# Altium PCB Tigershark 3D R2.PcbDoc (part 3 of 4)
Units mil, origin at the board's own origin, x right, y up, seen from the top; angles counter-clockwise.
Board outline 4100 x 4050 mil, 4 copper layers (Top Layer, Groun Plane, Power Plane, Bottom Layer), stack 61.73 mil thick; 363 components, 231 nets, 1162 pads, 834 vias.
Unrouted connection lines stored in the file: 9.
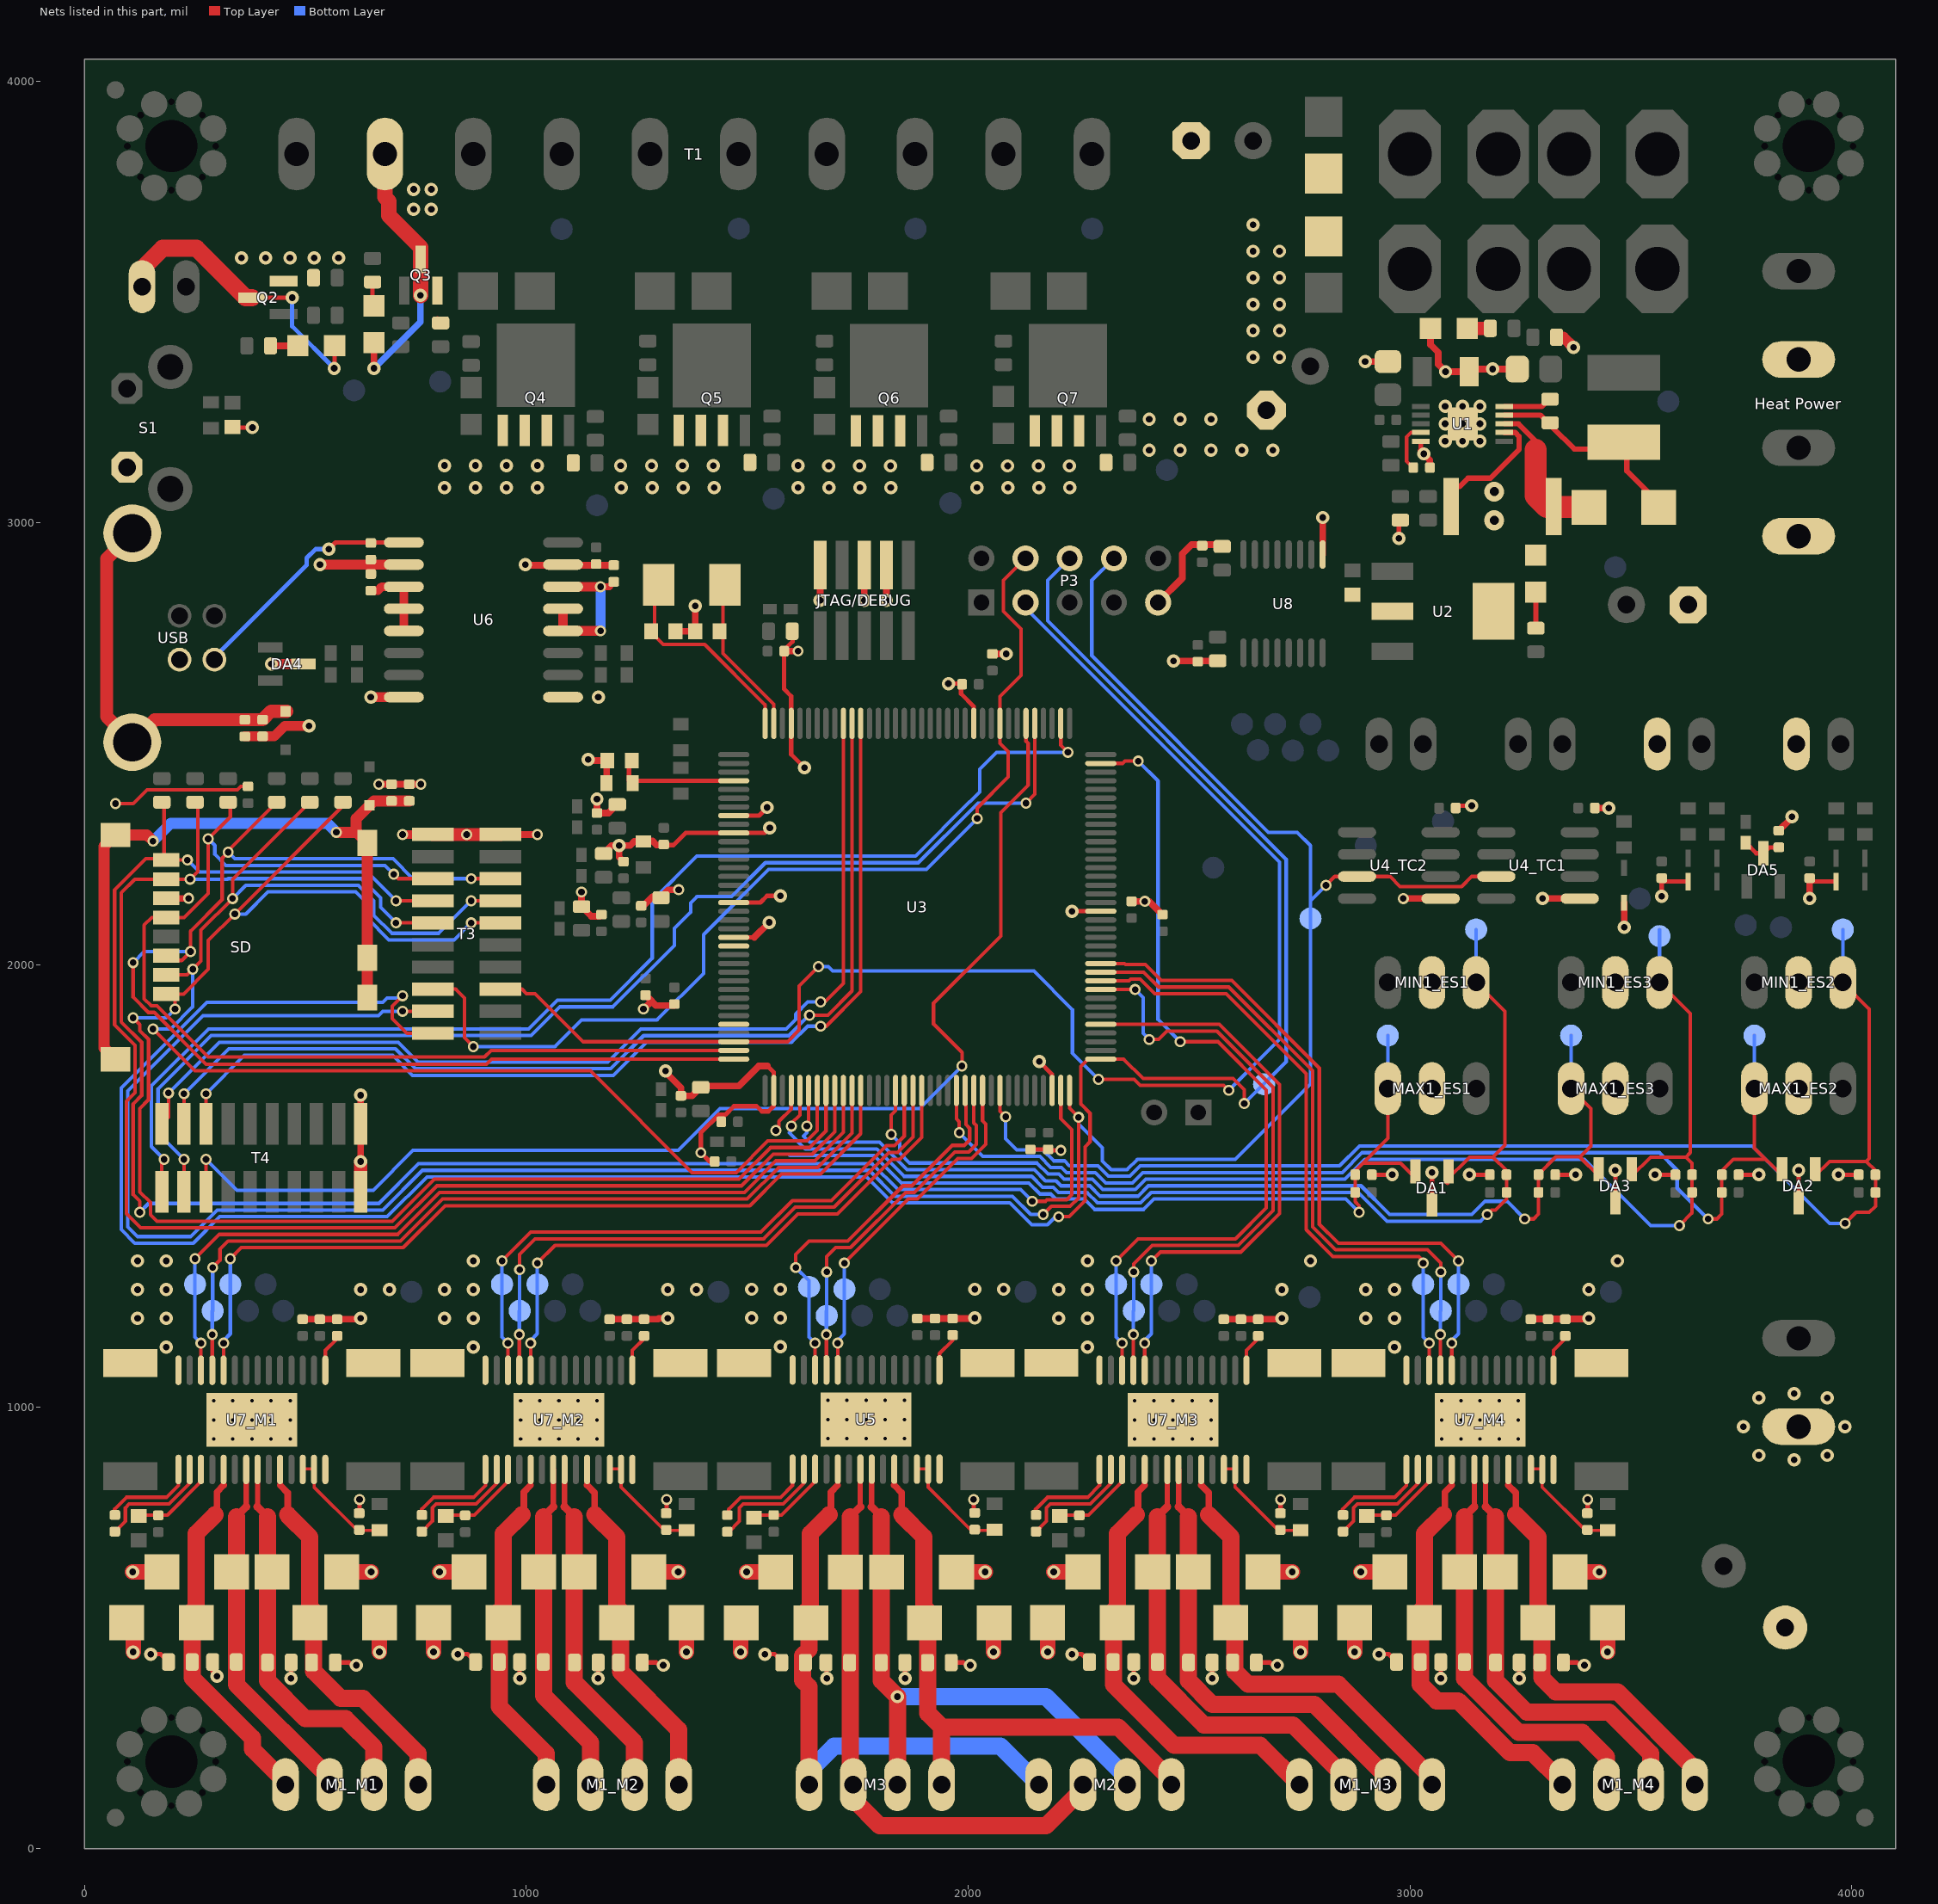
[diagram p5: the nets of this part, all layers, seen from the top]

## Via types
v1: diameter 30, hole 15, Top Layer to Bottom Layer, tented both sides, 496 vias
v2: diameter 25, hole 15, Top Layer to Bottom Layer, tented both sides, 175 vias
v3: diameter 25, hole 15, Top Layer to Bottom Layer, 76 vias
v4: diameter 19.68, hole 7.87, Top Layer to Bottom Layer, 75 vias
v5: diameter 30, hole 15, Top Layer to Bottom Layer, 9 vias
v6: diameter 45, hole 20, Top Layer to Bottom Layer, tented both sides, 3 vias

## Nets (pads, with @x,y where several pads share a name; then routed paths per layer and width w, separated by ;. In a path a pad name is that pad's centre, name@x,y a point inside that pad or via, vN(x,y) a via of type N, cw(c..) or ccw(c..) an arc to the next point about the centre after c; other vN are vias at no path point) (continued)
GND: "Heat Power.2" "Heat Power.4" "Motor Power.2" C1_ES1.2 C1_ES2.2 C1_ES3.2 C2_ES1.2 C2_ES2.2 C2_ES3.2 C3_M1.2 C3_M2.2 C3_M3.2 C3_M4.2 C4.1 C5_M1.2 C5_M2.2 C5_M3.2 C5_M4.2 C6_M1.2 C6_M2.2 C6_M3.2 C6_M4.2 C7.2 C8_M1.2 C8_M2.2 C8_M3.2 C8_M4.2 C9.2 C10.2 C11.2 C12_M1.1 C12_M2.1 C12_M3.1 C12_M4.1 C13.1 C14_M1.1 C14_M2.1 C14_M3.1 C14_M4.1 C15.2 C16.2 C17.1 C18.2 C19.1 C20.1 C21.2 C22.2 C23.1 C25.1 C26.1 C27.1 C28.1 C29.1 C30_TR1.1 C30_TR2.1 C31_TC1.1 C31_TC2.1 C32.1 C33.1 C34.1 C36.1 C37.1 C38.1 C39.1 C41.1 C42.1 C43.1 C44.1 C45.1 C46.1 C47.1 C48.1 C50.1 C51.1 C52.2 C53.1 C54.1 C55.1 C56.1 C57.1 C60.1 C61.1 C62.2 C63.1 C64.1 C65.1 C67.2 C69.1 C70.1 C71_M1.1 C71_M2.1 C71_M3.1 C71_M4.1 C72.2 C73.1 C75_M1.1 C75_M2.1 C75_M3.1 C75_M4.1 D1.1 D4.1 D5_TR1.1 D5_TR2.1 D6.1 D7.C D9.C D20_M1.C D20_M2.C D20_M3.C D20_M4.C D21_M1.C D21_M2.C D21_M3.C D21_M4.C D22_M1.C D22_M2.C D22_M3.C D22_M4.C D23_M1.C D23_M2.C D23_M3.C D23_M4.C D25.C D26.C D27.C D28.C DA1.3 DA2.3 DA3.3 JTAG/DEBUG.3 JTAG/DEBUG.5 JTAG/DEBUG.9 MAX1_ES1.2 MAX1_ES2.2 MAX1_ES3.2 MIN1_ES1.2 MIN1_ES2.2 MIN1_ES3.2 P2_TR1.2 P2_TR2.2 P3.9 Q2.2 Q3.2 Q4.1 Q4.2 Q4.3 Q5.1 Q5.2 Q5.3 Q6.1 Q6.2 Q6.3 Q7.1 Q7.2 Q7.3 R4.2 R9.1 R12.2 R23.1 R32_M1.1 R32_M2.1 R32_M3.1 R32_M4.1 R33_M1.1 R33_M2.1 R33_M3.1 R33_M4.1 R35.1 R38.1 R39.1 R46.2 R55.2 R59.2 R63.2 R67.2 R71.2 S1.2 SD.6 T3.19 T3.20 T4.19 T4.20 U1.5 U1.7 U1.11 U2.2 U2.4 U3.12 U3.33 U3.44 U3.46 U3.54 U3.58 U3.74 U3.106 U3.126 U4_TC1.1 U4_TC2.1 U5.14 U5.28 U5.29 U6.9 U6.15 U7_M1.14 U7_M1.28 U7_M1.29 U7_M2.14 U7_M2.28 U7_M2.29 U7_M3.14 U7_M3.28 U7_M3.29 U7_M4.14 U7_M4.28 U7_M4.29 U8.9 | length 9438.3
  Top Layer w8: v2(70,2365) 110,2365 141.21,2396.21 346.21,2396.21 353.7,2403.7 C29.1@370,2403.7
  Top Layer w10: v1(150,440) 172.23,440 C3_M1.2@189.97,422.26 ; C5_M1.2@289.97,422.26 289.97,400.03 v1(300,390) ; C63.1@335,3217.44 336.44,3216 v1(380,3216) ; v1@467.51,392.49 C8_M1.2@467.51,421.26 ; C6_M1.2@567.51,421.26 598.74,421.26 v1@615,405 ; C75_M1.1@622.48,758.7 v3(622.48,790) ; R55.2@798.4,3463.13 R55.2@806,3455.53 ; v1(845,440) 867.23,440 C3_M2.2@884.97,422.26 ; v1(984.97,385.03) C5_M2.2@984.97,422.26 ; v1(1162.51,385) C8_M2.2@1162.51,421.26 ; C54.1@1167.52,2116.18 C54.1@1170,2118.66 ; C6_M2.2@1262.51,421.26 1293.74,421.26 v1@1310,405 ; C41.1@1309.8,2271.1 1333.23,2271.1 1360.55,2298.43 U3.46@1469.65,2298.43 1539.84,2298.43 v1(1551.1,2309.68) ; C75_M2.1@1317.48,758.7 v3(1317.48,790) ; C64.1@1426.3,1555 1415,1555 v2(1395,1575) 1395,1620 1436.25,1661.25 1451.25,1661.25 1470,1680 1521.41,1680 1533.1,1668.31 1547.93,1668.31 1560.2,1680.58 U3.74@1560.2,1715.75 1560.2,1757.01 1546.1,1771.1 ; U3.58@1469.65,2062.2 1516.1,2062.2 ; U3.54@1469.65,2140.94 1529.84,2140.94 1545,2156.1 v1(1575,2156.1) ; U3.44@1469.65,2337.8 1526.69,2337.8 v1(1545,2356.1) ; v1(1540.03,439.97) 1562.26,439.97 C52.2@1580,422.23 ; C33.1@1583.7,2710 1583.7,2623.86 1599.57,2607.99 U3.33@1599.57,2546.46 1599.57,2476.26 v1(1629.72,2446.1) ; C33.1@1585,2713.91 1602.56,2731.47 C32.1@1602.56,2746.1 ; v1(1680,385) C62.2@1680,422.23 ; v1(1857.54,384.97) C72.2@1857.54,421.23 ; v1(1955.47,2636.46) 1984,2636.46 1984,2613.57 2012.95,2584.61 U3.12@2012.95,2546.46 ; C67.2@1957.54,421.23 1988.77,421.23 v1@2005.03,404.97 ; C51.1@2012.51,758.67 v3(2012.51,789.97) ; C23.1@2141.1,1582.4 C45.1@2181.1,1582.4 2183.5,1580 v2(2210,1580) ; v1(2161.1,1781.1) 2190.12,1752.09 U3.106@2190.12,1715.75 ; v1@2230.16,2121.26 U3.126@2300.35,2121.26 ; v1(2235,440) 2257.23,440 C3_M3.2@2274.97,422.26 ; v1(2374.97,385.03) C5_M3.2@2374.97,422.26 ; v1(2552.51,385) C8_M3.2@2552.51,421.26 ; C6_M3.2@2652.51,421.26 2683.74,421.26 v1@2700,405 ; C75_M3.1@2707.48,758.7 v3(2707.48,790) ; C2_ES1.2@2922.56,1525 v1(2960,1525) ; v1(2930,440) 2952.23,440 C3_M4.2@2969.97,422.26 ; v1(2975,2965) 2975,3003.33 R12.2@2978.32,3006.65 ; v1@3024.83,3162.91 U1.5@3024.83,3185.06 ; DA1.3@3050,1442.6 v1(3050,1530) ; v1(3069.97,385.03) C5_M4.2@3069.97,422.26 ; C31_TC2.1@3103.7,2360 v1(3140,2360) ; v1(3135,1525) C1_ES1.2@3172.91,1525 ; v1(3247.51,385) C8_M4.2@3247.51,421.26 ; C2_ES3.2@3329,1525 v1(3375,1525) ; C6_M4.2@3347.51,421.26 3378.74,421.26 v1@3395,405 ; C75_M4.1@3402.48,758.7 v3(3402.48,790) ; DA3.3@3465,1447.6 v1(3465,1535) ; v1(3555,1525) C1_ES3.2@3592.91,1525 ; v1(3570,2155) 3570,2187.44 3570.98,2188.43 D5_TR2.1@3630,2188.43 ; C2_ES2.2@3752.56,1525 v1(3790,1525) ; DA2.3@3880,1447.6 v1(3880,1535) ; C30_TR1.1@3905,2187.44 3905.98,2188.43 D5_TR1.1@3965,2188.43 ; v1(3970,1525) C1_ES2.2@4007.91,1525
  Top Layer w12: 3112.95,3083 3131.36,3101.41 3182.42,3101.41 3246.88,3165.87 3246.88,3196.35 3238.49,3204.74 U1.7@3213.8,3204.74
  Top Layer w15: SD.6@185,2150.55 v2(235.55,2150.55) ; C12_M1.1@493.74,1197.96 C14_M1.1@532.74,1197.96 C71_M1.1@571.74,1197.96 622.96,1197.96 v1(625,1200) ; v1(625,1555) T4.20@625,1640 v1(625,1705) ; T4.19@628.23,1483.23 T4.19@631.46,1480 ; v2(666.1,2408.9) R35.1@695,2408.9 734.8,2408.9 C34.1@735,2408.7 v2(761.3,2408.7) ; T3.19@941.77,2295 v2(1025,2295) ; v1(998,2905.79) 999.3,2904.49 C56.1@1198,2904.49 ; v2(1125,2165) C55.1@1125,2131.77 1146.77,2110 1166.3,2110 C54.1@1170,2113.7 ; v1(1140,2465) 1142.68,2462.32 C73.1@1183.54,2462.32 1181.57,2460.35 R23.1@1181.57,2411.1 ; v1(1160,2375) C61.1@1160,2343.7 1186.14,2343.7 C60.1@1206.1,2363.66 ; C28.1@1175,2252.56 1192.44,2270 v1(1210,2270) ; C12_M2.1@1188.74,1197.96 C14_M2.1@1227.74,1197.96 C71_M2.1@1266.74,1197.96 1297.96,1197.96 1300,1200 v1(1320,1200) ; C53.1@1220,2233.7 1210,2243.7 v1(1210,2270) ; v2(1265,1900) 1265.82,1900 1283.82,1918 1270.52,1931.3 C42.1@1270,1931.3 1283.56,1917.74 1293.3,1908 1335,1908 C48.1@1335,1911.3 ; C37.1@1265,2133.7 1284.96,2153.66 1305,2153.66 1321.34,2170 v2(1345,2170) ; C41.1@1311.1,2272.4 1309.8,2271.1 1295,2271.1 1285.47,2280.63 1266.1,2280.63 R4.2@1265,2279.53 1244.53,2279.53 1235,2270 v1(1210,2270) ; v1(1315,1760) 1315,1756.69 1350,1721.69 C27.1@1350,1703.7 1375.04,1703.7 1397.44,1726.1 1481.1,1726.1 1526.1,1771.1 1546.1,1771.1 ; C43.1@1337.56,2755 C44.1@1382.44,2755 v1(1382.44,2812.44) ; 1516.1,2062.2 v1(1550,2096.1) ; C33.1@1588.91,2710 v2(1615,2710) ; v1(1665,2825) JTAG/DEBUG.9@1665,2904.92 ; v1(1765,2825) JTAG/DEBUG.5@1765,2904.92 ; v1(1815,2825) 1815,2894.92 1820,2899.92 JTAG/DEBUG.3@1815,2904.92 ; C69.1@1885,1199.7 C70.1@1925,1199.7 C50.1@1965,1199.7 2014.22,1199.7 v1(2015.26,1200.74) ; C38.1@2055,2703.7 v1(2086.3,2703.7) ; C46.1@2370,2143.7 2410,2143.7 C39.1@2440,2113.7 ; P3.9@2430,2820 2485,2875 2485,2930 2506,2951 C17.1@2560,2951 ; v1(2465,2687.44) C25.1@2557.44,2687.44 ; C12_M3.1@2578.74,1197.96 C14_M3.1@2617.74,1197.96 C71_M3.1@2656.74,1197.96 2707.96,1197.96 v1(2710,1200) ; U8.9@2802.57,2928.66 v1(2802.57,3012.43) ; v1(2898.76,3365.43) C10.2@2950.31,3365.43 ; v2(2985,2150) U4_TC2.1@3069.49,2150 ; v1@3024.83,3162.91 3045.31,3142.43 C22.2@3045.31,3125.43 ; D7.C@3046.76,3440.43 3046.76,3403.03 3064.32,3385.48 3064.32,3358.87 v1(3080.76,3342.43) C9.2@3134.46,3342.43 ; C9.2@3140.46,3348.43 v1(3187.31,3348.43) C21.2@3243.31,3348.43 ; C12_M4.1@3272.48,1198.7 v1@3396.18,1198.7 ; v1(3300,2150) U4_TC1.1@3384.49,2150 ; C31_TC1.1@3427.56,2355 v1(3450,2355) ; v1(3485,2085) D1.1@3485,2140.63 ; C19.1@3835,2303.7 3865,2333.7 v1(3865,2335) ; v1(3905,2150) C30_TR1.1@3905,2187.44
  Top Layer w20: v2(720,2295) T3.20@788.23,2295
  Top Layer w25: C11.2@3332.09,3420.43 3347.31,3420.43 v1(3370.31,3397.43)
  Top Layer w29.53: T3.20@788.23,2295 v2(865,2295) T3.19@941.77,2295
  Top Layer w29.92: T4.19@625,1486.46 v1(625,1555)
  Top Layer w35: D20_M1.C@95,511.26 110,496.26 v1(110,445) ; v1(108.74,626.26) D21_M1.C@175,626.26 ; D23_M1.C@582.48,626.26 v1(648.74,626.26) ; v1(667.48,445) D22_M1.C@667.48,511.26 ; v1(790,445) D20_M2.C@790,511.26 ; v1(803.74,626.26) D21_M2.C@870,626.26 ; D23_M2.C@1277.48,626.26 v1(1343.74,626.26) ; v1(1362.48,445) D22_M2.C@1362.48,511.26 ; v1(1485.03,444.97) D25.C@1485.03,511.23 ; v1(1498.77,626.23) D26.C@1565.03,626.23 ; D28.C@1972.51,626.23 v1(2038.77,626.23) ; v1(2057.51,444.97) D27.C@2057.51,511.23 ; v1(2180,445) D20_M3.C@2180,511.26 ; v1(2193.74,626.26) D21_M3.C@2260,626.26 ; D23_M3.C@2667.48,626.26 v1(2733.74,626.26) ; v1(2752.48,445) D22_M3.C@2752.48,511.26 ; v1(2875,445) D20_M4.C@2875,511.26 ; v1(2888.74,626.26) D21_M4.C@2955,626.26 ; D23_M4.C@3362.48,626.26 v1(3428.74,626.26) ; v1(3447.48,445) D22_M4.C@3447.48,511.26
  other v1: 467.51,385 615,415 1310,415 2005.03,414.97 2700,415 3395,415 3870,880 3790,890 3945,890 3755,955 3985,955 3790,1020 3945,1020 3870,1030 185,1135 880,1135 2270,1135 2965,1135 1575.26,1135.74 120,1200 185,1200 815,1200 880,1200 2205,1200 2270,1200 2900,1200 2965,1200 3405,1200 1510.26,1200.74 1575.26,1200.74 120,1265 185,1265 625,1265 690,1265 815,1265 880,1265 1320,1265 1385,1265 2205,1265 2270,1265 2710,1265 2900,1265 2965,1265 3405,1265 1510.26,1265.74 1575.26,1265.74 2015.26,1265.74 2080.26,1265.74 120,1330 185,1330 880,1330 2270,1330 2775,1330 3470,1330 2235,2121.1 1163,2605.79 815,3080 885,3080 955,3080 1025,3080 1215,3080 1285,3080 1355,3080 1425,3080 1615,3080 1685,3080 1755,3080 1825,3080 2020,3080 2090,3080 2160,3080 2230,3080 1684.5,3129.19 1754.5,3129.19 1824.5,3129.19 2019.5,3129.19 2089.5,3129.19 2159.5,3129.19 2229.5,3129.19 815,3130 885,3130 955,3130 1025,3130 1213.5,3129.61 1283.5,3129.61 1353.5,3129.61 1423.5,3129.61 1615,3130 3031.31,3156.43 2410,3165 2480,3165 2550,3165 2620,3165 2690,3165 2410,3235 2480,3235 2550,3235 2645,3375 2705,3375 2645,3435 2705,3435 2645,3495 2705,3495 2645,3555 2705,3555 355,3600 410,3600 465,3600 520,3600 575,3600 2645,3615 2705,3615 2645,3675 745,3710 785,3710 745,3755 785,3755
  other v2: 2400,2143.7
  other v4: 292.13,926.95 335.43,926.95 378.74,926.95 422.05,926.95 465.35,926.95 987.13,926.95 1030.43,926.95 1073.74,926.95 1117.05,926.95 1160.35,926.95 2377.13,926.95 2420.43,926.95 2463.74,926.95 2507.05,926.95 2550.35,926.95 3072.13,926.95 3115.43,926.95 3158.74,926.95 3202.05,926.95 3245.35,926.95 1682.39,927.69 1725.69,927.69 1769,927.69 1812.31,927.69 1855.61,927.69 292.13,970.26 335.43,970.26 378.74,970.26 422.05,970.26 465.35,970.26 987.13,970.26 1030.43,970.26 1073.74,970.26 1117.05,970.26 1160.35,970.26 2377.13,970.26 2420.43,970.26 2463.74,970.26 2507.05,970.26 2550.35,970.26 3072.13,970.26 3115.43,970.26 3158.74,970.26 3202.05,970.26 3245.35,970.26 1682.39,971 1725.69,971 1769,971 1812.31,971 1855.61,971 292.13,1013.57 335.43,1013.57 378.74,1013.57 422.05,1013.57 465.35,1013.57 987.13,1013.57 1030.43,1013.57 1073.74,1013.57 1117.05,1013.57 1160.35,1013.57 1682.39,1014.31 1725.69,1014.31 1769,1014.31 1812.31,1014.31 1855.61,1014.31 2377.13,1013.57 2420.43,1013.57 2463.74,1013.57 2507.05,1013.57 2550.35,1013.57 3072.13,1013.57 3115.43,1013.57 3158.74,1013.57 3202.05,1013.57 3245.35,1013.57
  other v5: 3079.94,3185.06 3119.31,3185.06 3158.68,3185.06 3079.94,3224.43 3119.31,3224.43 3158.68,3224.43 3079.94,3263.8 3119.31,3263.8 3158.68,3263.8
  other v6: 3191,3006 3191,3071
GPIO4_EXP: U3.59
GPIO5_EXP: U3.68
I2C_SCL: P3.3 T3.5 U3.70 | length 3341.8
  Top Layer w8: 990,1945 1000,1935 1020,1935 1129.02,1825.98 U3.70@1469.65,1825.98 1590.98,1825.98 1617.5,1852.5 1617.5,1952.5 v2(1661.1,1996.1) ; v2(2295,1741.1) 2376.1,1741.1 2389.6,1727.6 2578.5,1727.6 v2(2590,1716.1)
  Bottom Layer w8: v2(1661.1,1996.1) 1683.68,1996.1 1693.68,1986.1 2148.68,1986.1 2236.1,1898.68 2236.1,1800 v2(2295,1741.1) ; P3.3@2130,2820 2130,2807.57 2705,2232.57 2705,1831.1 v2(2590,1716.1)
I2C_SDA: P3.4 T3.6 U3.9 | length 2287.3
  Top Layer w8: T3.6@788.23,1945 840,1945 860,1925 860,1835 v2(880,1815) ; v2(2020.36,2331.1) 2020.36,2354.75 2091,2425.4 2091,2482.57 2072.01,2501.56 U3.9@2072.01,2546.46 2072.01,2607.01 2120,2655 2120,2760 2080,2800 2080,2870 P3.4@2130,2920
  Bottom Layer w8: v2(880,1815) 1064.9,1815 1124.9,1875 1295.67,1875 1401.1,1980.44 1401.1,2068.53 1548.68,2216.1 1905.36,2216.1 v2(2020.36,2331.1)
INPUT_GND: C24.1 C58.1 C59.1 DA4.3 R24.1 U6.2 U6.8 USB.4 | length 524.6
  Top Layer w22: R24.1@363.2,2517.09 C24.1@403,2517.09 429.3,2517.09 453,2540.79 v1(508,2540.79) ; v1(423,2680.79) DA4.3@495.4,2680.79 ; v1(533,2905.79) 648,2905.79 ; v1(648,2605.79) U6.8@722.88,2605.79 ; C59.1@648,2884.49 648,2905.79 ; C58.1@648,2917.09 647.35,2906.52 648,2905.79 ; U6.2@722.88,2905.79 648,2905.79
MAX_ES1: C2_ES1.1 DA1.2 MAX1_ES1.1 R3_ES1.1 TP10_ES1.1 U3.76 | length 2037.4
  Top Layer w8: v2(1565,1625) 1571.5,1631.5 1571.5,1645.95 1599.57,1674.01 U3.76@1599.57,1715.75 ; C2_ES1.1@2875,1532.56 2893.44,1551 ; C2_ES1.1@2876.3,1525 2876.1,1524.8 R3_ES1.1@2876.1,1485 2876.1,1463.9 2885,1455 v2(2885,1440) ; MAX1_ES1.1@2950,1720 2950,1607.56 2893.44,1551 ; DA1.2@3005,1509.8 3012.6,1517.4 2979,1551 2893.44,1551
  Bottom Layer w8: 1596.5,1568.5 1787.07,1568.5 1849.11,1506.46 2137.48,1506.46 2162.43,1481.5 2186.73,1481.5 2198.23,1470 2262.99,1470 2286.49,1446.5 2397.01,1446.5 2420.51,1470 2855,1470 v2(2885,1440) ; MAX1_ES1.1@2950,1720 TP10_ES1.1@2950,1840
MAX_ES2: C2_ES2.1 DA2.2 MAX1_ES2.1 R3_ES2.1 TP10_ES2.1 U3.95 | length 2529.6
  Top Layer w8: U3.95@1973.58,1715.75 1973.58,1651.42 1980,1645 v2(1980,1620) ; v2(3675,1425) 3695,1425 3706.1,1436.1 3706.1,1470 ; R3_ES2.1@3706.1,1485 3706.1,1533.66 3732.44,1560 3805,1560 ; MAX1_ES2.1@3780,1720 3780,1585 3842.6,1522.4 DA2.2@3840,1519.8
  Bottom Layer w8: v2(1980,1620) 2033.54,1566.46 2162.33,1566.46 2187.29,1541.5 2211.59,1541.5 2223.09,1530 2287.84,1530 2311.34,1506.5 2372.16,1506.5 2395.66,1530 2846.91,1530 2891.91,1575 3565,1575 3605,1535 3605,1495 v2(3675,1425) ; MAX1_ES2.1@3780,1720 TP10_ES2.1@3780,1840
MAX_ES3: C2_ES3.1 DA3.2 MAX1_ES3.1 R3_ES3.1 TP10_ES3.1 U3.78 | length 2452.3
  Top Layer w8: v2(1635,1635) 1638.94,1638.94 U3.78@1638.94,1715.75 ; v2(3260,1425) 3280,1425 3291.1,1436.1 3291.1,1470 ; C2_ES3.1@3289.95,1525 C2_ES3.1@3289.95,1526.41 ; R3_ES3.1@3291.1,1485 3291.1,1526.1 3330.43,1565.43 3385.43,1565.43 3410,1590 3410,1675 MAX1_ES3.1@3365,1720 ; 3385,1565 3427.6,1522.4 DA3.2@3425,1519.8
  Bottom Layer w8: v2(1635,1635) 1635,1620 1627.6,1612.6 1641.7,1598.5 1799.5,1598.5 1861.54,1536.46 2149.9,1536.46 2174.86,1511.5 2199.16,1511.5 2210.66,1500 2275.41,1500 2298.91,1476.5 2384.59,1476.5 2408.09,1500 2889.45,1500 2954.45,1435 3140,1435 3170,1465 3220,1465 v2(3260,1425) ; MAX1_ES3.1@3365,1720 TP10_ES3.1@3365,1840
MCCDZ: R28.1 SD.3 T3.15 U3.72 | length 2811.6
  Top Layer w8: v2(110,2005) 110,1926.95 144.7,1892.25 157.75,1892.25 275,1775 910,1775 921.61,1786.61 U3.72@1469.65,1786.61 ; SD.3@202.52,2020.63 SD.3@185,2020.63 175,2010.63 175.63,2010 220,2010 v2(240,2030) 240,2076.21 311.5,2147.71 311.5,2241.5 v2(325,2255) 325,2258.23 R28.1@435,2368.23 ; v2(875,2195) T3.15@941.77,2195
  Bottom Layer w8: v2(110,2005) 135,2030 v2(240,2030) ; v2(325,2255) 340,2240 698.23,2240 743.23,2195 v2(875,2195)
MCCK: R27.1 SD.5 T3.16 U3.71 | length 2521.3
  Top Layer w8: R27.1@330,2368.23 330,2335 v2(280,2285) 280,2161.77 225.48,2107.24 SD.5@185,2107.24 152.24,2107.24 135,2090 135,1923.17 150.92,1907.25 163.96,1907.25 279.71,1791.5 905.29,1791.5 920.09,1806.3 U3.71@1469.65,1806.3 ; v2(700,2205) 710,2195 T3.16@788.23,2195
  Bottom Layer w8: v2(280,2285) 295,2270 295,2250 320,2225 680,2225 v2(700,2205)
MCDZ0: R26.1 SD.7 T3.12 U3.107 | length 4154.4
  Top Layer w8: v2(125,1440) 125,1465 110,1480 110,1685 129.46,1704.46 129.46,1824.33 83,1870.79 83,2163 113.86,2193.86 SD.7@185,2193.86 v2(238.86,2193.86) 256.33,2211.33 R26.1@256.33,2366.89 ; R26.1@250,2368.23 R26.1@251.33,2366.89 ; v2(705,2095) T3.12@788.23,2095 ; v2(2145,1465) 2175,1465 2178.5,1468.5 2223.5,1468.5 2235,1480 2235,1627.2 2209.8,1652.4 U3.107@2209.8,1715.75
  Bottom Layer w8: v2(125,1440) 145,1460 354.02,1460 665.98,1460 755.98,1550 1782.43,1550 1840.97,1491.46 2118.54,1491.46 v2(2145,1465) ; v2(238.86,2193.86) 323.86,2193.86 325,2195 626.5,2195 670,2151.5 670,2130 v2(705,2095)
MCDZ1: R25.1 SD.8 T3.14 U3.81 | length 3469
  Top Layer w8: R25.1@180,2368.23 180,2242.17 177.83,2240 138.79,2240 68,2169.21 68,1864.58 114.46,1818.12 114.46,1710.68 95,1691.21 95,1436.77 126.77,1405 702.72,1405 797.72,1500 1487.41,1500 1558.91,1571.5 1647.16,1571.5 1697.99,1622.33 U3.81@1697.99,1715.75 ; SD.8@185,2237.17 v2(232.83,2237.17) ; v2(705,2145) T3.14@788.23,2145
  Bottom Layer w8: v2(232.83,2237.17) 260,2210 640,2210 v2(705,2145)
MCDZ2: R34.1 SD.1 T3.11 U3.80 | length 3656.8
  Top Layer w8: v2(110,1880) 125,1865 125,1851.25 145,1831.25 145,1695 125,1675 125,1486.21 149.04,1462.17 149.04,1434.66 163.7,1420 696.51,1420 791.51,1515 1481.19,1515 1552.69,1586.5 1640.95,1586.5 1678.31,1623.86 U3.80@1678.31,1715.75 ; SD.1@195,1924 SD.1@185,1934 224,1934 280,1990 280,2055 v2(340,2115) 585,2360 R34.1@585,2368.23 ; v2(205,1900) SD.1@205,1924 ; v2(875,2095) T3.11@941.77,2095